# Altium PCB PCB_v1_premove.PcbDoc (part 1 of 4)
Units mil, origin at the board's own origin, x right, y up, seen from the top; angles counter-clockwise.
Board outline 27400 x 10355 mil, 4 copper layers (Component Side, Ground Plane, Power Plane, Solder Side), stack 33.234 mil thick; 525 components, 575 nets, 2564 pads, 188 vias.
Unrouted connection lines stored in the file: 1433.
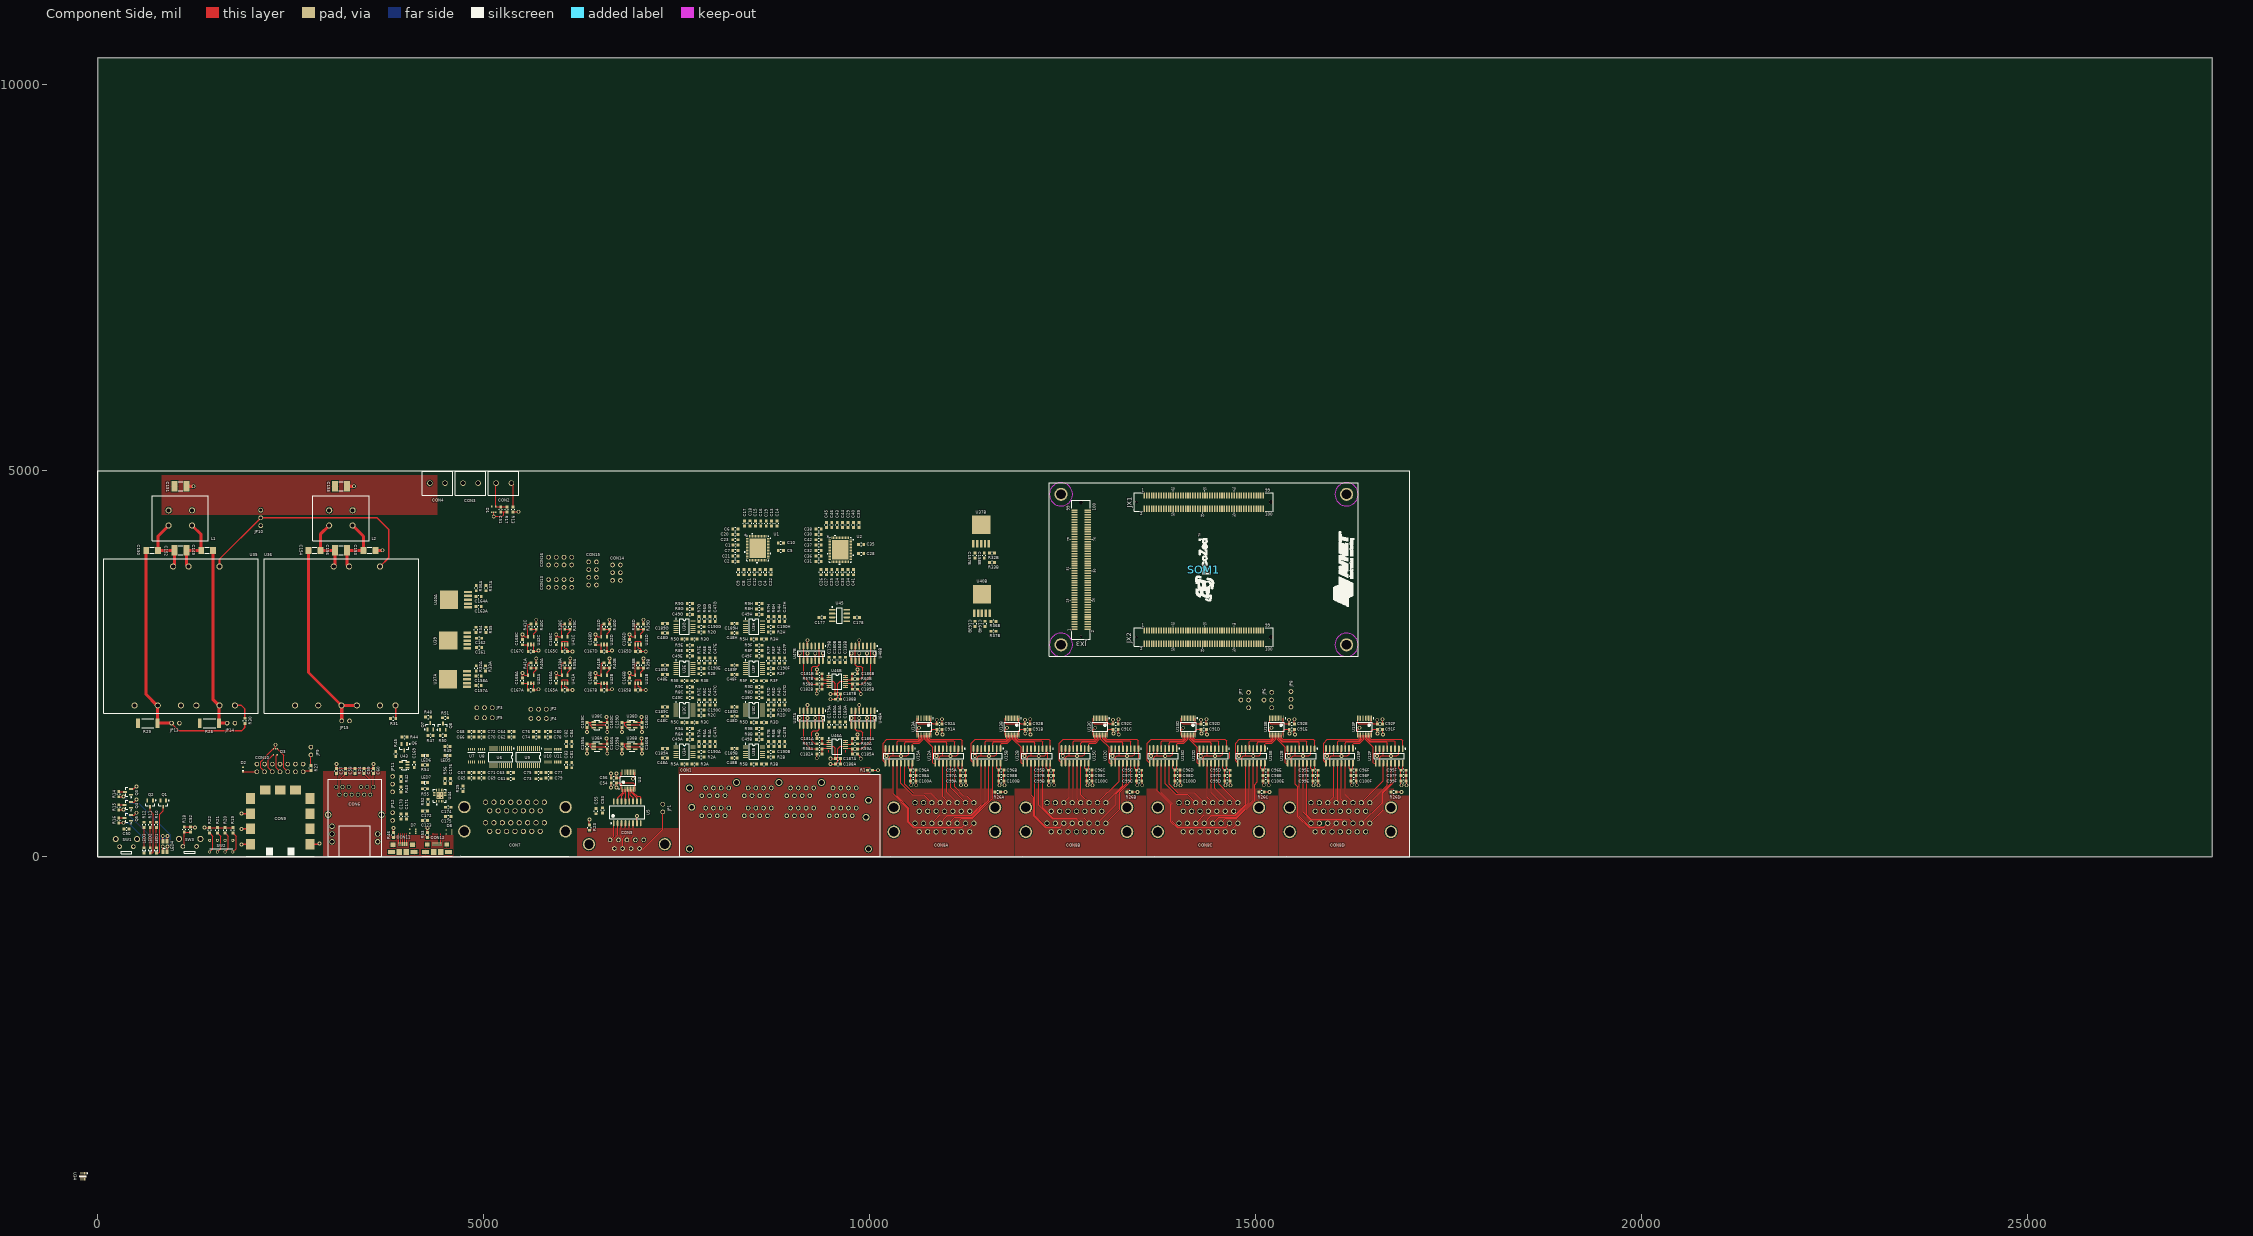
[diagram p0: Component Side view]
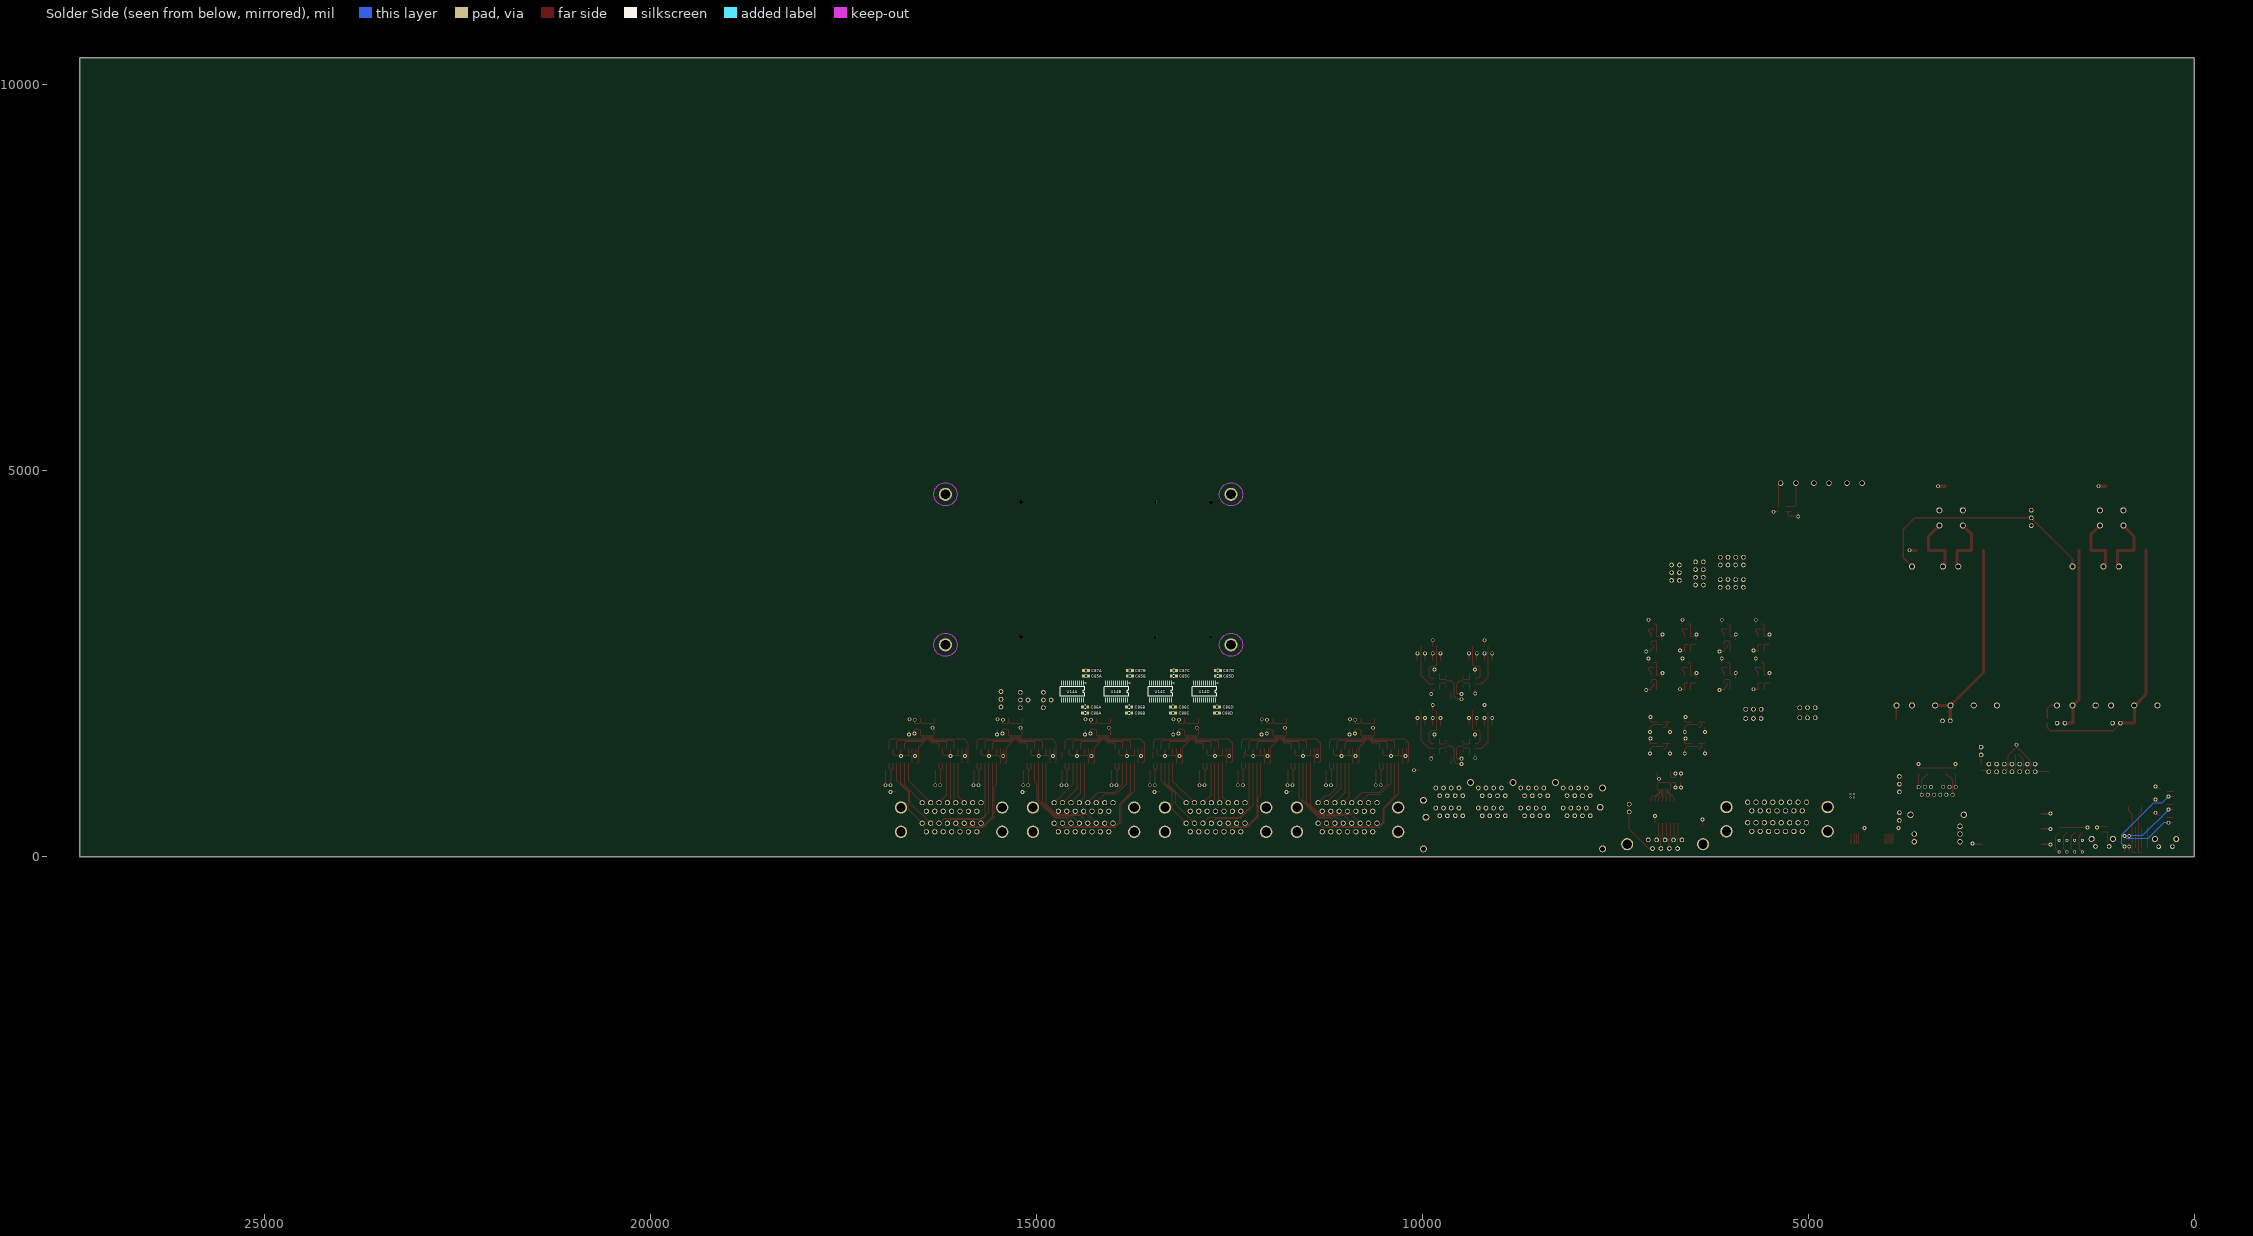
[diagram p1: Solder Side view, seen from below]
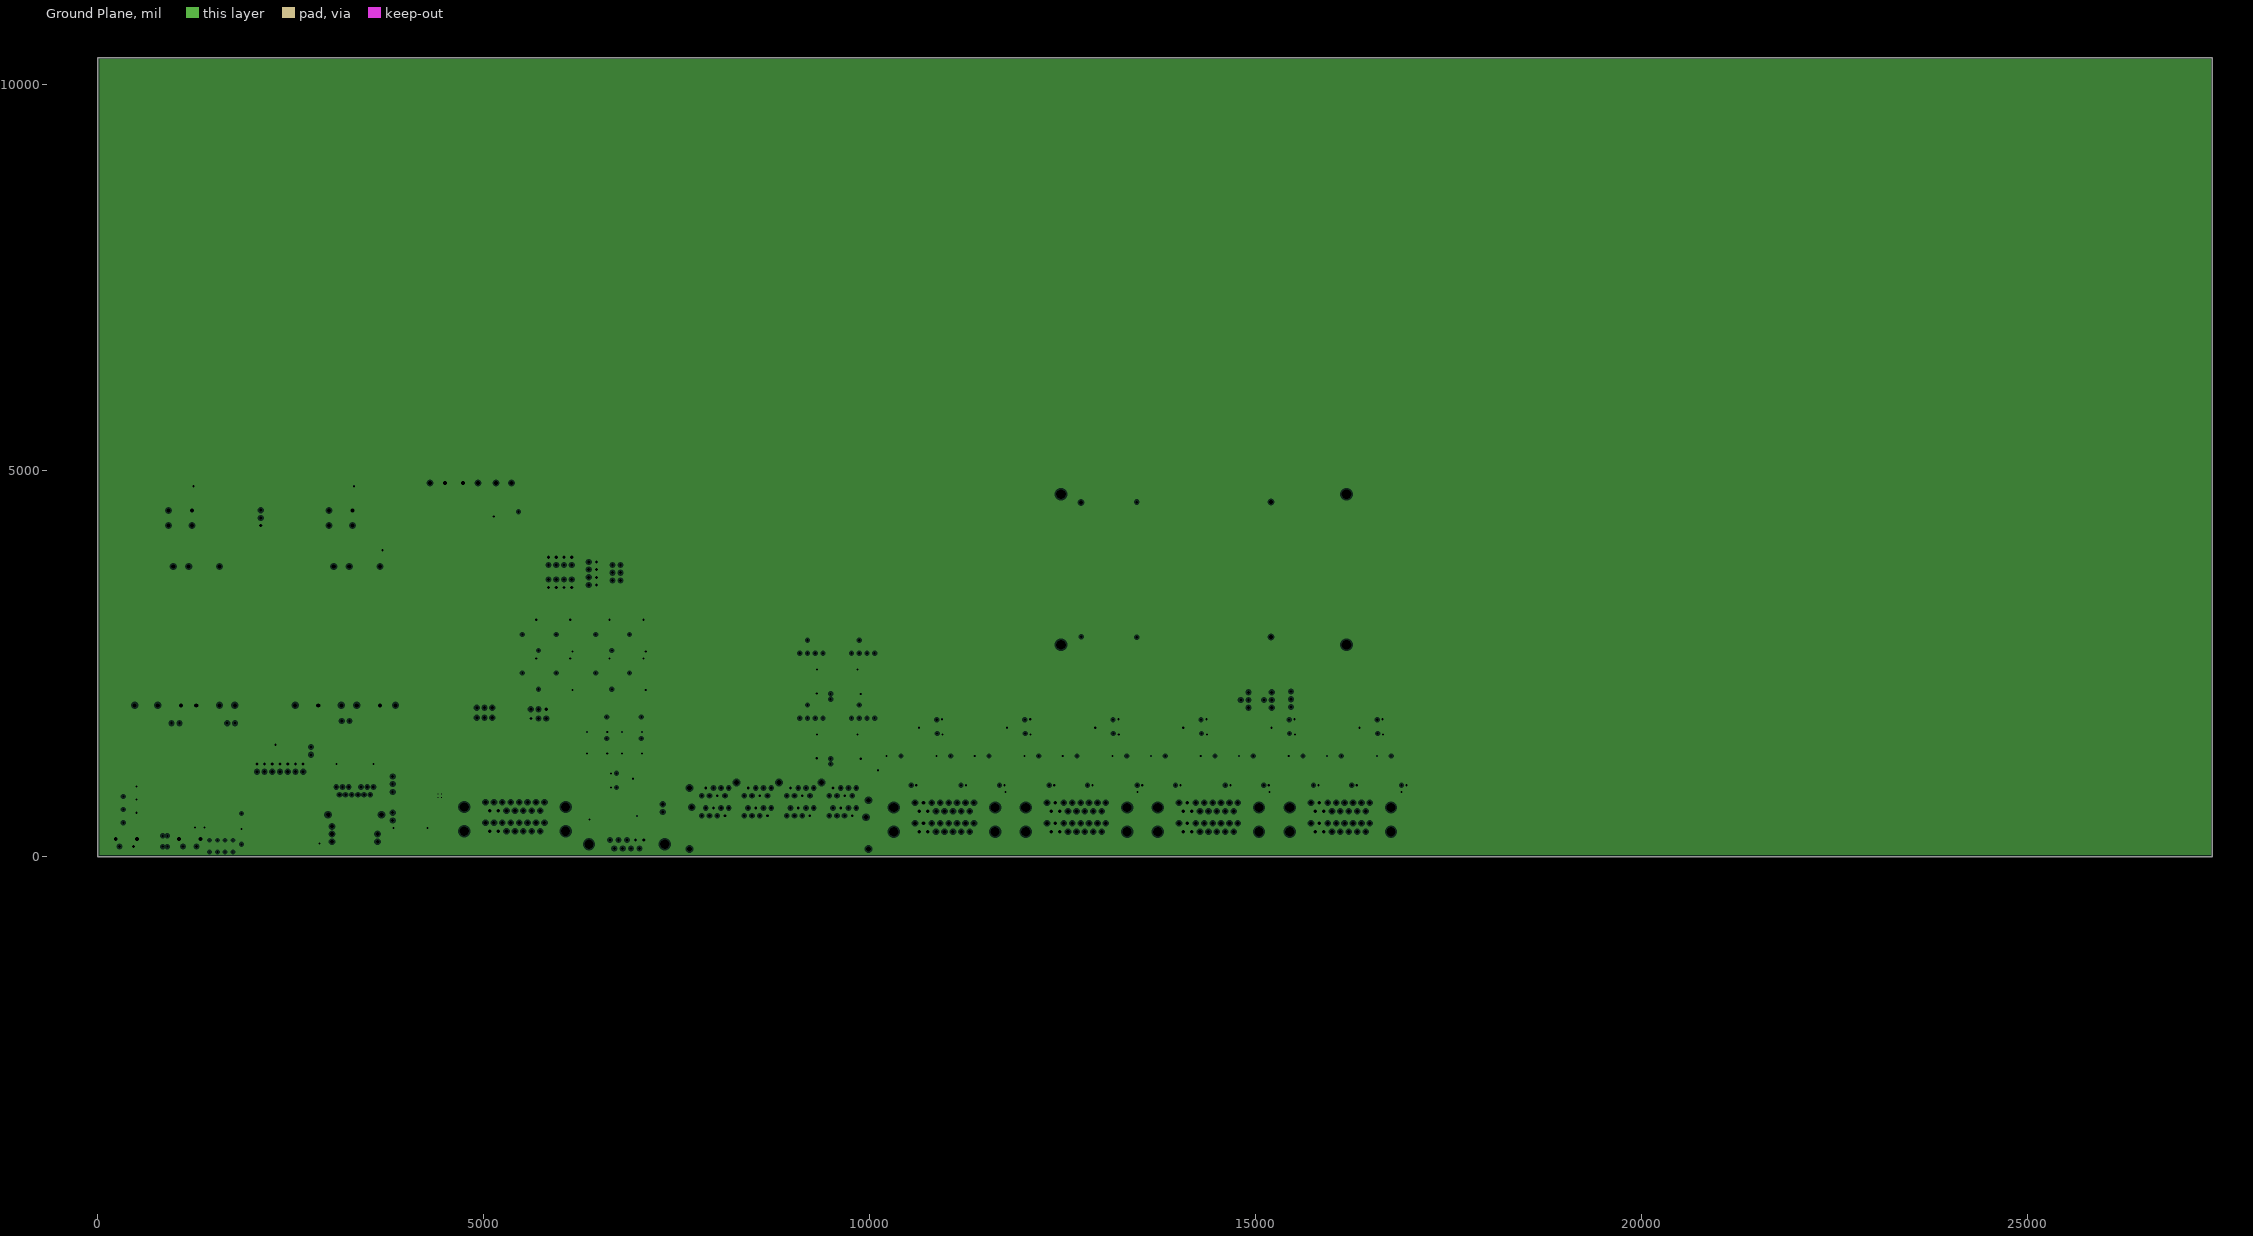
[diagram p2: Ground Plane, clearances drawn from the general rule]
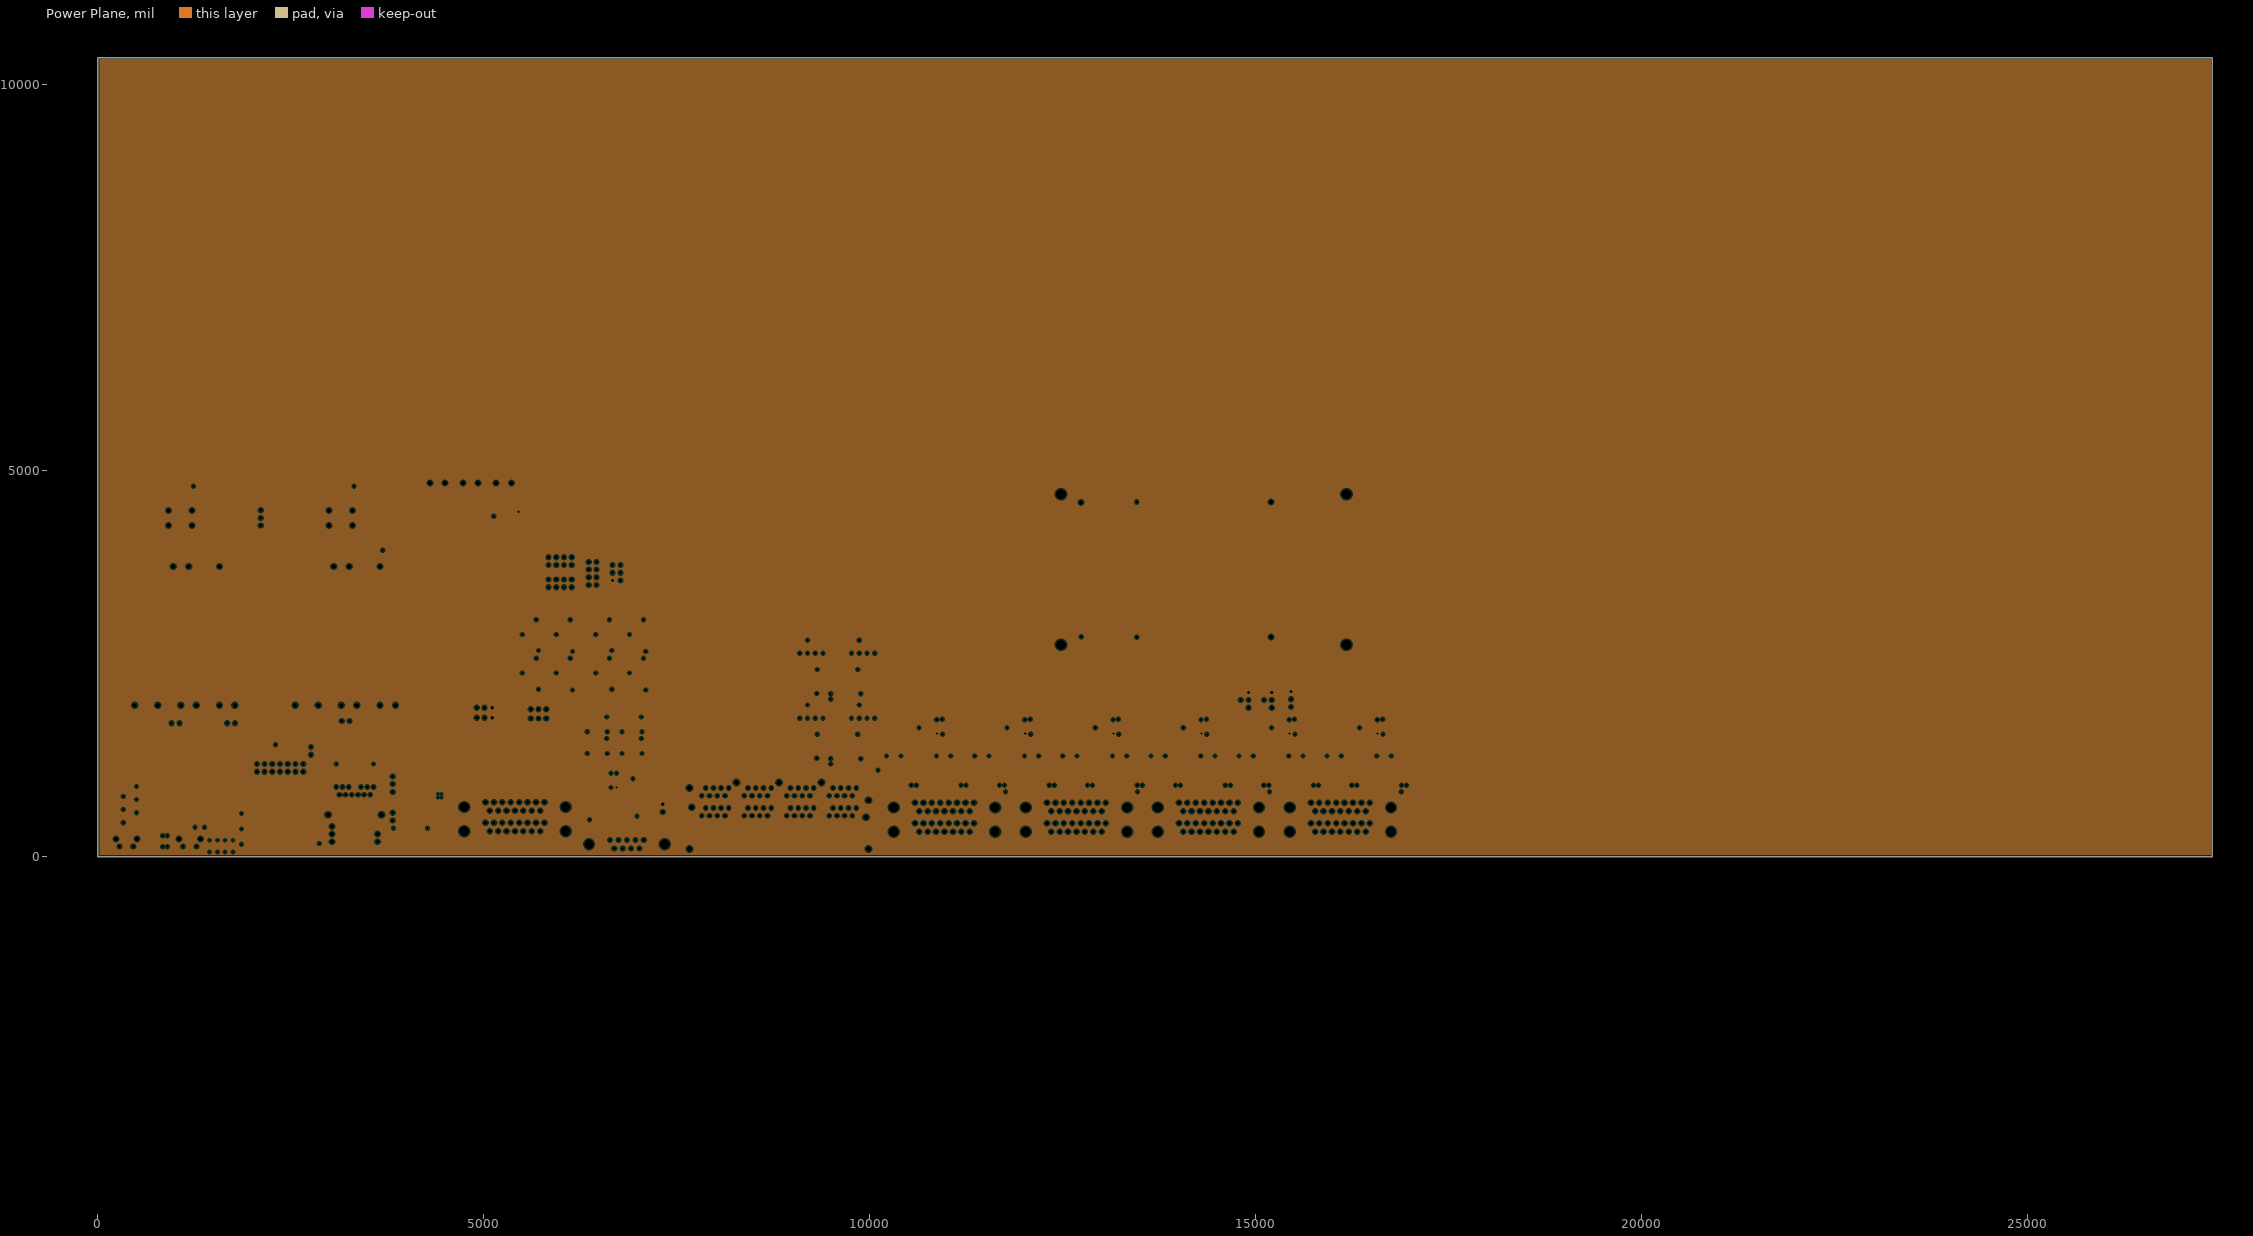
[diagram p3: Power Plane, clearances drawn from the general rule]

## Layer stack, top to bottom
Top Solder: solder mask 0.4, Solder Resist, Dk 3.5
Component Side: signal copper 1.4
Dielectric 1: core 12.6, FR-4, Dk 4.8
Ground Plane: plane copper 1.417, net GND
Dielectric 3: prepreg 5, Dk 4.2
Power Plane: plane copper 1.417, net 5V
Dielectric 4: core 10, Dk 4.2
Solder Side: signal copper 1.4
Bottom Solder: solder mask 0.4, Solder Resist, Dk 3.5

## Board outline
0,0 0,10355 27400,10355 27400,0

## Design rules (kind name [scope] priority, off if disabled: settings)
Clearance [All] p1: gap=6 ignorepadtopadclearanceinfootprint=FALSE except(0: Arc-Hole Track-Hole SMDPad-Hole THPad-Hole Via-Hole Fill-Hole Poly-Hole Region-Hole Text-Hole)
DiffPairsRouting [All] p1: maxlimit=10 minlimit=10 mostfreqgap=10 toplayer_minwidth=15 toplayer_maxwidth=15 toplayer_prefwidth=15 bottomlayer_minwidth=15 bottomlayer_maxwidth=15 bottomlayer_prefwidth=15 maxuncoupledlength=500
Height [All] p1: minheight=0 maxheight=2000 prefheight=1000
PlaneClearance [All] p1: clearance=20
PlaneConnect [All] p1: planeconnectstyle=Relief reliefexpansion=20 reliefentries=4 reliefconductorwidth=10 reliefairgap=10
PolygonConnect [All] p1: connectstyle=Relief reliefconductorwidth=10 reliefentries=4 polygonreliefangle="90 Angle" airgapwidth=10
RoomDefinition DriveOutput [False] p1: confinementstyle=ConfineIn formatcopy=TRUE lockcomponents=FALSE outline 10160,0 17010,0 17010,2445 10160,2445
RoomDefinition InverterConnector2AB [InComponentClass('InverterConnector2AB')] p2: confinementstyle=ConfineIn formatcopy=TRUE lockcomponents=FALSE outline 11880,880 11880,0 13580,0 13580,880
RoomDefinition U_Encoder [InComponentClass('U_Encoder')] p3: confinementstyle=ConfineIn formatcopy=TRUE lockcomponents=FALSE outline 6215,1160 6215,21.73 7515,21.73 7515,1160
RoomDefinition U_8ChanDirTranslation2 [InComponentClass('U_8ChanDirTranslation2')] p4: confinementstyle=ConfineIn formatcopy=TRUE lockcomponents=FALSE outline 14130,1820 13560,1820 13560,2440 14130,2440
RoomDefinition U_8ChanDirTranslation4 [InComponentClass('U_8ChanDirTranslation4')] p5: confinementstyle=ConfineIn formatcopy=TRUE lockcomponents=FALSE outline 12990,1820 12420,1820 12420,2440 12990,2440
RoomDefinition U_8ChanDirTranslation3 [InComponentClass('U_8ChanDirTranslation3')] p6: confinementstyle=ConfineIn formatcopy=TRUE lockcomponents=FALSE outline 13560,1820 12990,1820 12990,2440 13560,2440
RoomDefinition U_8ChanDirTranslation1 [InComponentClass('U_8ChanDirTranslation1')] p7: confinementstyle=ConfineIn formatcopy=TRUE lockcomponents=FALSE outline 14700,1820 14130,1820 14130,2440 14700,2440
RoomDefinition U_GPIO [InComponentClass('U_GPIO')] p8: confinementstyle=ConfineIn formatcopy=TRUE lockcomponents=FALSE outline 4610,1990 4610,0 6200,0 6200,1990
RoomDefinition U_Power [InComponentClass('U_Power')] p9: confinementstyle=ConfineIn formatcopy=TRUE lockcomponents=FALSE outline 45.71,4879.99 45.71,1600 4175.71,1600 4175.71,4879.99
RoomDefinition U_USB_UART [InComponentClass('U_USB_UART')] p10: confinementstyle=ConfineIn formatcopy=TRUE lockcomponents=FALSE outline 4603.7,0 4603.7,1900 4180,1900 4180,0
RoomDefinition U_USB_OTG [InComponentClass('U_USB_OTG')] p11: confinementstyle=ConfineIn formatcopy=TRUE lockcomponents=FALSE outline 4175.71,0 4175.71,1600 3735.71,1600 3735.71,0
RoomDefinition U_Power_REF_2V5 [InComponentClass('U_Power_REF_2V5')] p12: confinementstyle=ConfineIn formatcopy=TRUE lockcomponents=FALSE outline 9280,2990 9940,2990 9940,3310 9280,3310
RoomDefinition U_Power_LDO_15V_D [InComponentClass('U_Power_LDO_15V_D')] p13: confinementstyle=ConfineIn formatcopy=TRUE lockcomponents=FALSE outline 6240,2610 7180,2610 7180,3100 6240,3100
RoomDefinition U_Power_LDO_15V_C [InComponentClass('U_Power_LDO_15V_C')] p14: confinementstyle=ConfineIn formatcopy=TRUE lockcomponents=FALSE outline 5290,2610 6230,2610 6230,3100 5290,3100
RoomDefinition U_Power_LDO_15V_B [InComponentClass('U_Power_LDO_15V_B')] p15: confinementstyle=ConfineIn formatcopy=TRUE lockcomponents=FALSE outline 6240,2110 7180,2110 7180,2600 6240,2600
RoomDefinition U_Power_LDO_15V_A [InComponentClass('U_Power_LDO_15V_A')] p16: confinementstyle=ConfineIn formatcopy=TRUE lockcomponents=FALSE outline 5290,2110 6230,2110 6230,2600 5290,2600
RoomDefinition U_Power_LDO_5V_VIN_HDR [InComponentClass('U_Power_LDO_5V_VIN_HDR')] p17: confinementstyle=ConfineIn formatcopy=TRUE lockcomponents=FALSE outline 11265,2821.06 11725,2821.06 11725,3611.06 11265,3611.06
RoomDefinition U_Power_LDO_5V [InComponentClass('U_Power_LDO_5V')] p18: confinementstyle=ConfineIn formatcopy=TRUE lockcomponents=FALSE outline 5130,3140 5130,3600 4340,3600 4340,3140
RoomDefinition U_Power_LDO_3V3 [InComponentClass('U_Power_LDO_3V3')] p19: confinementstyle=ConfineIn formatcopy=TRUE lockcomponents=FALSE outline 5120,2620 5120,3010 4340,3010 4340,2620
RoomDefinition U_Power_LDO_2V5_D [InComponentClass('U_Power_LDO_2V5_D')] p20: confinementstyle=ConfineIn formatcopy=TRUE lockcomponents=FALSE outline 6700,1580 7140,1580 7140,1850 6700,1850
RoomDefinition U_Power_LDO_2V5_C [InComponentClass('U_Power_LDO_2V5_C')] p21: confinementstyle=ConfineIn formatcopy=TRUE lockcomponents=FALSE outline 6250,1580 6690,1580 6690,1850 6250,1850
RoomDefinition U_Power_LDO_2V5_B [InComponentClass('U_Power_LDO_2V5_B')] p22: confinementstyle=ConfineIn formatcopy=TRUE lockcomponents=FALSE outline 6700,1300 7140,1300 7140,1570 6700,1570
RoomDefinition U_Power_LDO_2V5_A [InComponentClass('U_Power_LDO_2V5_A')] p23: confinementstyle=ConfineIn formatcopy=TRUE lockcomponents=FALSE outline 6250,1300 6690,1300 6690,1570 6250,1570
RoomDefinition U_Power_LDO_1V8_VCCO [InComponentClass('U_Power_LDO_1V8_VCCO')] p24: confinementstyle=ConfineIn formatcopy=TRUE lockcomponents=FALSE outline 11265,3717.4 11695,3717.4 11695,4497.4 11265,4497.4
RoomDefinition U_Power_LDO_1V8 [InComponentClass('U_Power_LDO_1V8')] p25: confinementstyle=ConfineIn formatcopy=TRUE lockcomponents=FALSE outline 5120,2120 5120,2550 4340,2550 4340,2120
RoomDefinition U_PicoZed [InComponentClass('U_PicoZed')] p26: confinementstyle=ConfineIn formatcopy=TRUE lockcomponents=FALSE outline 16380,2545.5 16380,4895 12300,4895 12300,2545.5
RoomDefinition U_LVHV8ChanTranslation6 [InComponentClass('U_LVHV8ChanTranslation6')] p27: confinementstyle=ConfineIn formatcopy=TRUE lockcomponents=TRUE outline 15877.68,895 16984.21,895 16984.21,1845 15877.68,1845
RoomDefinition U_LVHV8ChanTranslation5 [InComponentClass('U_LVHV8ChanTranslation5')] p28: confinementstyle=ConfineIn formatcopy=TRUE lockcomponents=FALSE outline 14736.14,895 15842.68,895 15842.68,1845 14736.14,1845
RoomDefinition U_LVHV8ChanTranslation4 [InComponentClass('U_LVHV8ChanTranslation4')] p29: confinementstyle=ConfineIn formatcopy=TRUE lockcomponents=FALSE outline 13594.61,895 14701.14,895 14701.14,1845 13594.61,1845
RoomDefinition U_LVHV8ChanTranslation3 [InComponentClass('U_LVHV8ChanTranslation3')] p30: confinementstyle=ConfineIn formatcopy=TRUE lockcomponents=FALSE outline 12453.07,895 13559.61,895 13559.61,1845 12453.07,1845
RoomDefinition U_LVHV8ChanTranslation2 [InComponentClass('U_LVHV8ChanTranslation2')] p31: confinementstyle=ConfineIn formatcopy=TRUE lockcomponents=FALSE outline 11311.54,895 12418.07,895 12418.07,1845 11311.54,1845
RoomDefinition U_LVHV8ChanTranslation1 [InComponentClass('U_LVHV8ChanTranslation1')] p32: confinementstyle=ConfineIn formatcopy=TRUE lockcomponents=FALSE outline 10170,895 11276.54,895 11276.54,1845 10170,1845
RoomDefinition U_JTAG [InComponentClass('U_JTAG')] p33: confinementstyle=ConfineIn formatcopy=TRUE lockcomponents=FALSE outline 1810,1470 1810,0 2910,0 2910,1470
RoomDefinition U_InverterTranslation [InComponentClass('U_InverterTranslation')] p34: confinementstyle=ConfineIn formatcopy=TRUE lockcomponents=FALSE outline 15380,1860 15540,1860 15540,2330 15380,2330
RoomDefinition U_InverterConnectors [InComponentClass('U_InverterConnectors')] p35: confinementstyle=ConfineIn formatcopy=TRUE lockcomponents=FALSE outline 14740,1860 15280,1860 15280,2230 14740,2230
RoomDefinition U_Gb_Ethernet [InComponentClass('U_Gb_Ethernet')] p36: confinementstyle=ConfineIn formatcopy=TRUE lockcomponents=FALSE outline 2920,-6.54 3730,-6.54 3730,1240 2920,1240
RoomDefinition U_BoardInterface [InComponentClass('U_BoardInterface')] p37: confinementstyle=ConfineIn formatcopy=TRUE lockcomponents=FALSE outline 1798.66,2.6 1798.66,1090 160,1090 160,2.6
RoomDefinition U_AnalogConnectors [InComponentClass('U_AnalogConnectors')] p38: confinementstyle=ConfineIn formatcopy=TRUE lockcomponents=FALSE outline 7525,1160 7525,0 10150,0 10150,1160
RoomDefinition U_AnalogADCs [InComponentClass('U_AnalogADCs')] p39: confinementstyle=ConfineIn formatcopy=TRUE lockcomponents=FALSE outline 8030,3476.54 10100,3476.54 10100,4536.54 8030,4536.54
RoomDefinition InverterConnector4AB [InComponentClass('InverterConnector4AB')] p40: confinementstyle=ConfineIn formatcopy=TRUE lockcomponents=FALSE outline 15300,880 15300,0 17000,0 17000,880
RoomDefinition InverterConnector3AB [InComponentClass('InverterConnector3AB')] p41: confinementstyle=ConfineIn formatcopy=TRUE lockcomponents=FALSE outline 13590,880 13590,0 15290,0 15290,880
RoomDefinition InverterConnector1AB [InComponentClass('InverterConnector1AB')] p42: confinementstyle=ConfineIn formatcopy=TRUE lockcomponents=FALSE outline 10170,880 10170,0 11870,0 11870,880
RoomDefinition AnalogSigCond13_16 [InComponentClass('AnalogSigCond13_16')] p43: confinementstyle=ConfineIn formatcopy=TRUE lockcomponents=FALSE outline 9000,2000 10170,2000 10170,2840 9000,2840
RoomDefinition AnalogSigCond9_12 [InComponentClass('AnalogSigCond9_12')] p44: confinementstyle=ConfineIn formatcopy=TRUE lockcomponents=FALSE outline 9000,1160 10170,1160 10170,2000 9000,2000
RoomDefinition AnalogSigCond8 [InComponentClass('AnalogSigCond8')] p45: confinementstyle=ConfineIn formatcopy=TRUE lockcomponents=FALSE outline 8100,2780 9000,2780 9000,3320 8100,3320
RoomDefinition AnalogSigCond7 [InComponentClass('AnalogSigCond7')] p46: confinementstyle=ConfineIn formatcopy=TRUE lockcomponents=FALSE outline 7200,2780 8100,2780 8100,3320 7200,3320
RoomDefinition AnalogSigCond6 [InComponentClass('AnalogSigCond6')] p47: confinementstyle=ConfineIn formatcopy=TRUE lockcomponents=FALSE outline 8100,2240 9000,2240 9000,2780 8100,2780
RoomDefinition AnalogSigCond5 [InComponentClass('AnalogSigCond5')] p48: confinementstyle=ConfineIn formatcopy=TRUE lockcomponents=FALSE outline 7200,2240 8100,2240 8100,2780 7200,2780
RoomDefinition AnalogSigCond4 [InComponentClass('AnalogSigCond4')] p49: confinementstyle=ConfineIn formatcopy=TRUE lockcomponents=FALSE outline 8100,1700 9000,1700 9000,2240 8100,2240
RoomDefinition AnalogSigCond3 [InComponentClass('AnalogSigCond3')] p50: confinementstyle=ConfineIn formatcopy=TRUE lockcomponents=FALSE outline 7200,1700 8100,1700 8100,2240 7200,2240
RoomDefinition AnalogSigCond2 [InComponentClass('AnalogSigCond2')] p51: confinementstyle=ConfineIn formatcopy=TRUE lockcomponents=FALSE outline 8100,1160 9000,1160 9000,1700 8100,1700